# Altium PCB Middle_PCB_PC104_Shield_Positioning.PcbDoc (part 1 of 2) (continued)
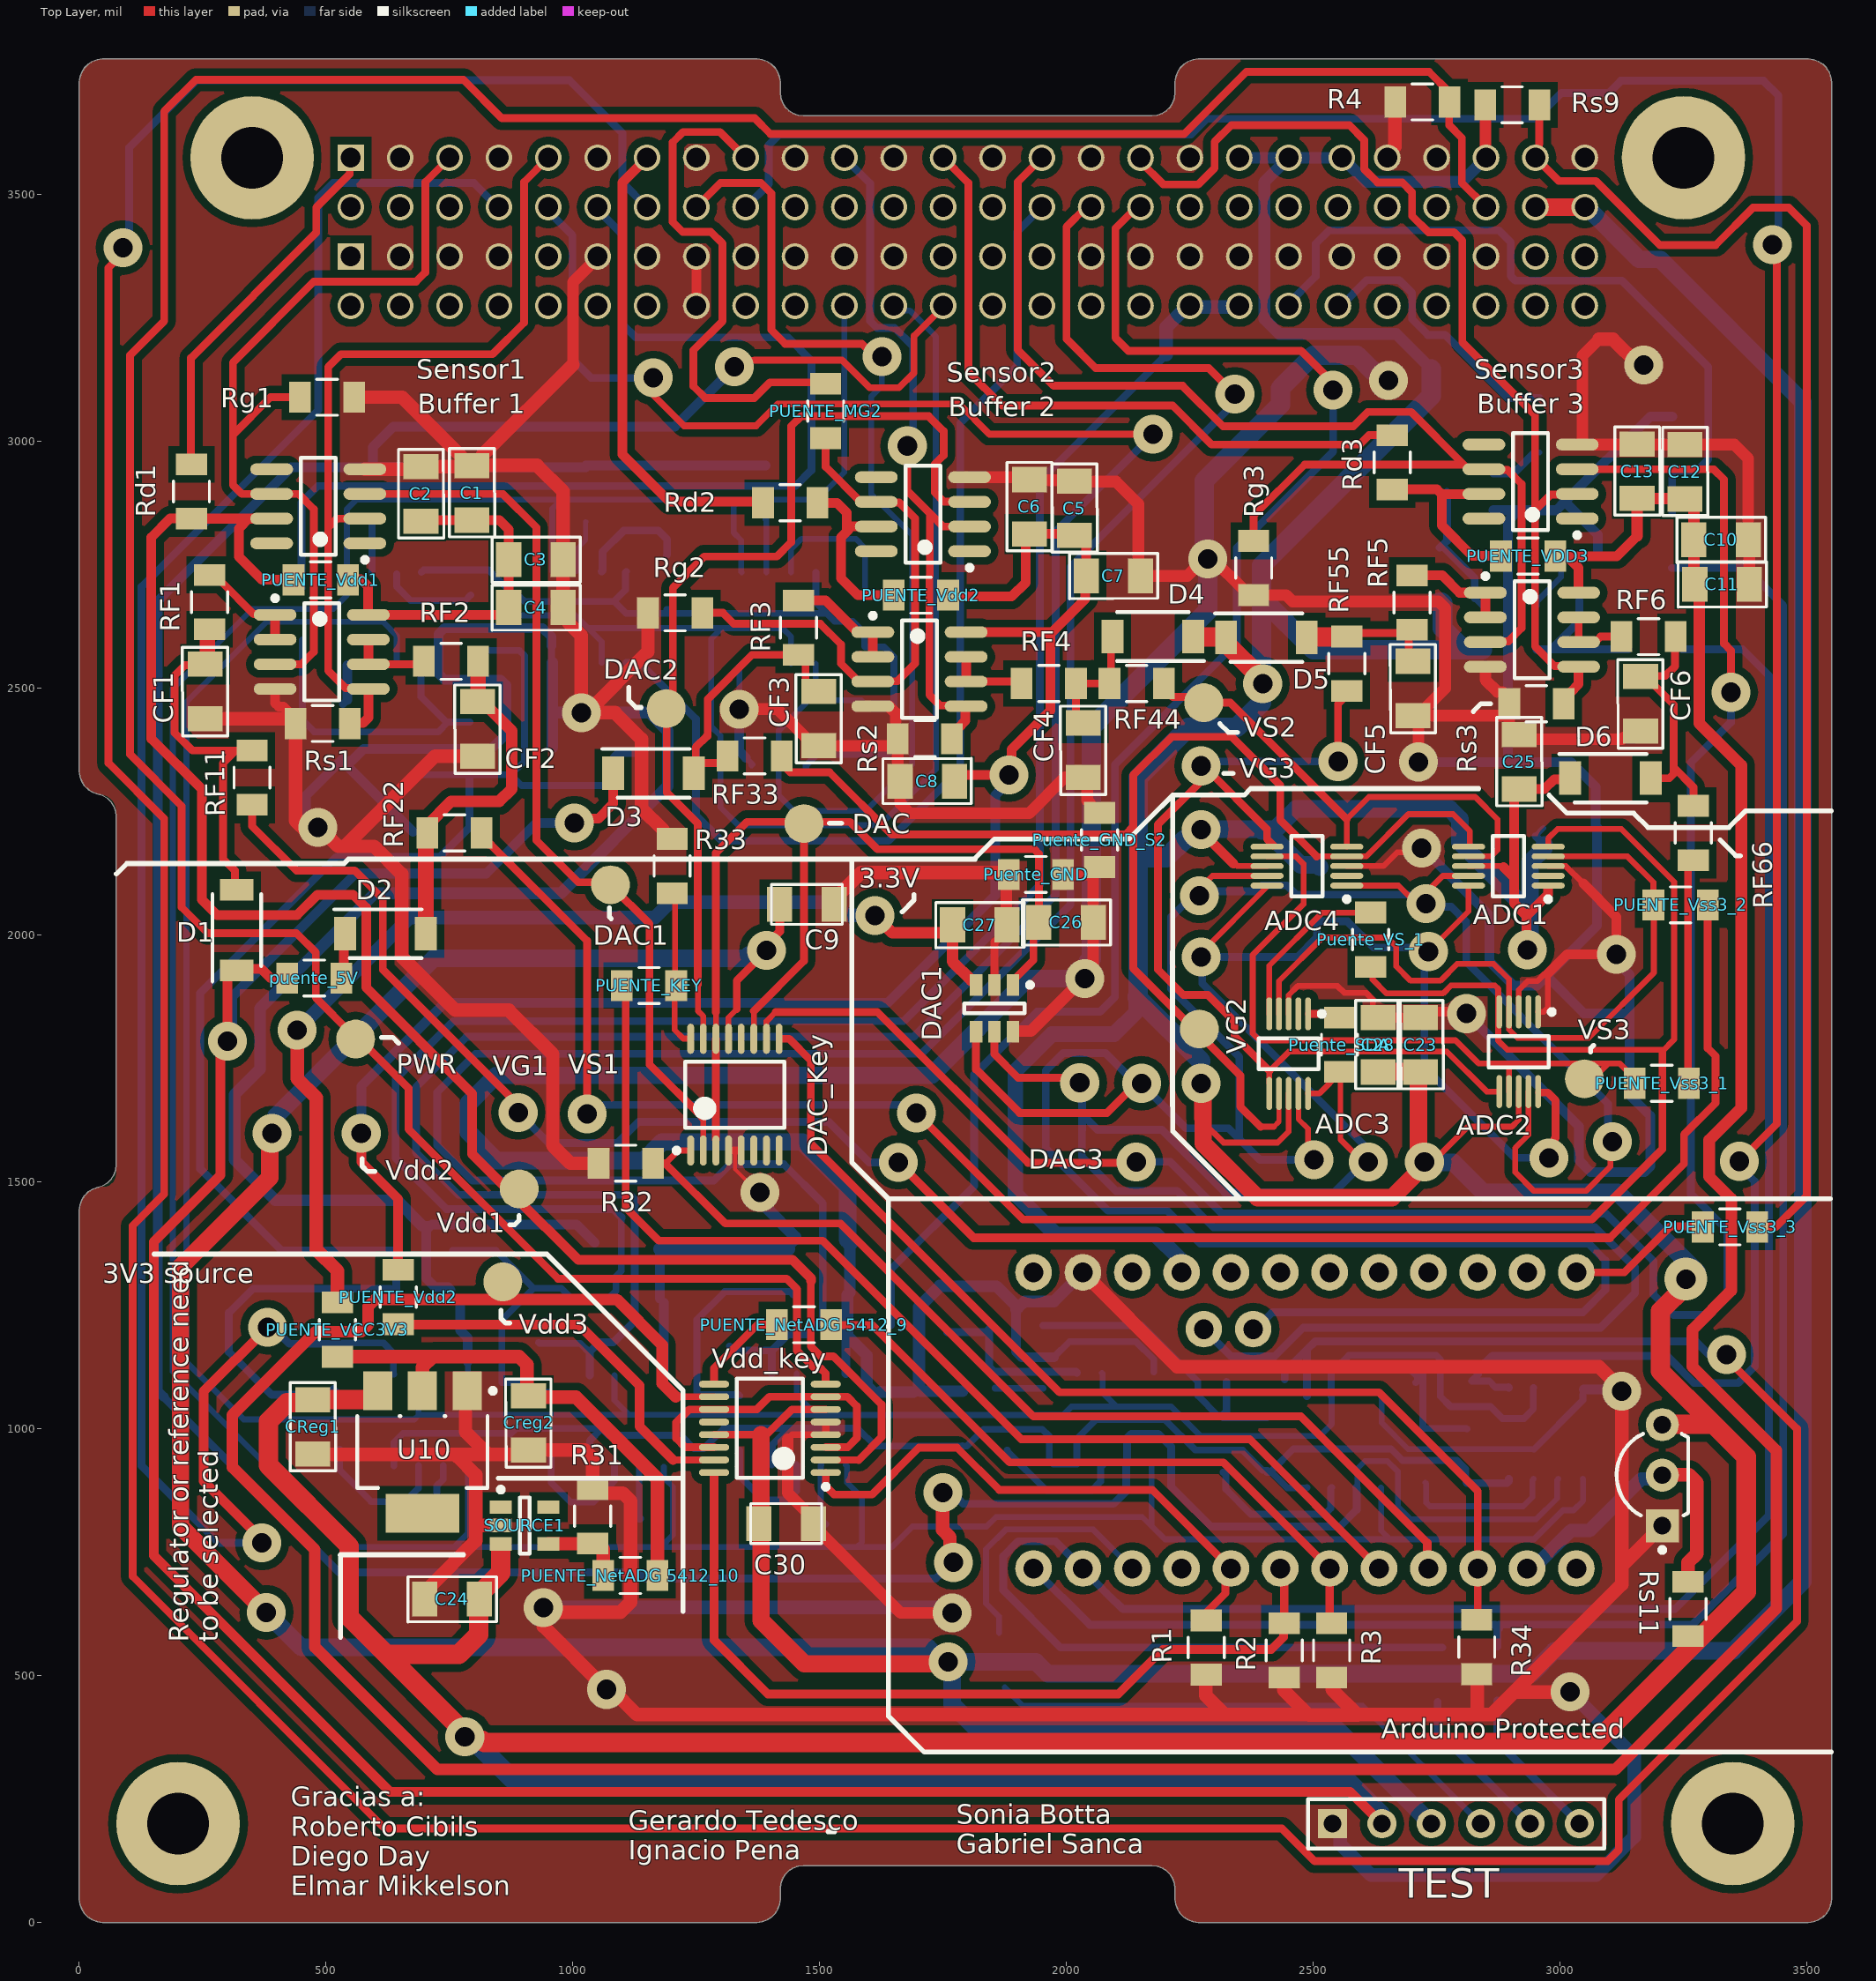
[diagram p0: Top Layer view]
## Components (designator, comment, footprint, x,y, rotation, side; value= is the part's Value field where it differs from the comment) (continued)
Rg3 "10Meg" R1206#1 2379.1,2743.85 r90 top
Rs1 "1k" R1206#1 493.1,2428.85 r0 top
Rs2 "1k" R1206#1 1713.1,2397.85 r0 top
Rs3 "1k" R1206#1 2952.1,2468.85 r0 top
Rs4 "2k" R1206#1 3227.1,2995.85 r270 bottom
Rs5 "1k" R1206#1 3226.1,2798.85 r270 bottom
Rs6 "1k" R1206#1 2897.1,2577.85 r180 bottom
Rs7 "1k" R1206#1 2756.1,2729.85 r270 bottom
Rs8 "1k" R1206#1 2898.1,2666.85 r180 bottom
Rs9 "4k7" R1206#1 2903,3682 r0 top
Rs10 "1k" R1206#1 2958.1,3032.85 r270 bottom
Rs11 "4k7" R1206#1 3259,635 r90 top
Sensor1 "OPA735AID" TI-D8_N 484.1,2868.85 r180 top
Sensor2 "OPA735AID" TI-D8_N 1709.1,2852.85 r180 top
Sensor3 "OPA735AID" TI-D8_N 2940.1,2918.85 r180 top
SOURCE1 "ADR366WAUJZ-REEL7" ADI-UJ-5_M 902.1,803.85 r0 top
TEST "Header 6H" HDR1X6 2539.1,199.85 r0 top (schematic designator TEST1)
U1 "23K256-E/SN" SOIC-SN8_L 1033.28,2644.33 r90 bottom
U2 "23K256-E/SN" SOIC-SN8_L 617.14,2640.9 r90 bottom
U3 "23K256-E/SN" SOIC-SN8_L 1417.1,2642.35 r90 bottom
U4 "23K256-E/SN" SOIC-SN8_L 1478.1,1019.37 r270 bottom
U5 "23K256-E/SN" SOIC-SN8_L 1109.1,1015.85 r270 bottom
U6 "23K256-E/SN" SOIC-SN8_L 712.1,1017.85 r270 bottom
U7 "23K256-E/SN" SOIC-SN8_L 2971.1,990.85 r270 bottom
U8 "23K256-E/SN" SOIC-SN8_L 2562.1,973.37 r270 bottom
U9 "23K256-E/SN" SOIC-SN8_L 2096.1,1020.85 r270 bottom
U10 "NCV1117ST33T3GOSCT-ND" FP-318H-MFG 695.1,952.87 r270 top
Vdd_key "Llave1" ADI-RU-16_N 1399.1,1000.85 r180 top (schematic designator KEY_1)

## Footprints (in the part's own frame and the unit in brackets; to place one, negate y for a bottom-side part, rotate by r counter-clockwise, add the part's x,y. Pads: shape width x height; smd on the part's side, far side on the other; paste and mask are expansions set on the pad)
ADI-RU-16_N [mm] "SOP, 16-Leads, Body 5x4.4mm, Pitch 0.65mm, IPC Medium Density"
  oval 1.55x0.35 smd: 1(-2.875,2.275) 2(-2.875,1.625) 3(-2.875,0.975) 4(-2.875,0.325) 5(-2.875,-0.325) 6(-2.875,-0.975) 7(-2.875,-1.625) 8(-2.875,-2.275) 9(2.875,-2.275) 10(2.875,-1.625) 11(2.875,-0.975) 12(2.875,-0.325) 13(2.875,0.325) 14(2.875,0.975) 15(2.875,1.625) 16(2.875,2.275)
  silkscreen extent -3,-2.55 1.7,3.12, body extent -2.25,-2.55 2.25,2.55, height 1.2
ADI-UJ-5_M [mm] "SOT23, 5-Leads, Body 2.9x1.6mm, Pitch 0.95mm, IPC Low Density"
  rect 1.15x0.7 smd: 1(-1.225,0.95) 2(-1.225,0) 3(-1.225,-0.95) 4(1.225,-0.95) 5(1.225,0.95)
  silkscreen extent -1.35,-1.45 0.25,1.97, body extent -0.8,-1.45 0.8,1.45, height 1
Arduino_Pro_Mini [mil]
  round 74 hole 40: 1(720,1150) 2(720,1050) 3(720,950) 4(720,850) 5(720,750) 6(720,650) 7(720,550) 8(720,450) 9(720,350) 10(720,250) 11(720,150) 12(720,50) 13(120,1150) 14(120,1050) 15(120,950) 16(120,850) 17(120,750) 18(120,650) 19(120,550) 20(120,450) 21(120,350) 22(120,250) 23(120,150) 24(120,50) 31(605,705) 32(605,805)
  Top Layer lines w10: 120,450 135,450 ; 120,375 120,361.35 ; 720,350 720,330 ; 120,275 120,250 ; 120,175 120,150 ; 120,75 120,50 ; 120,361.35 120,356 ; 120,361.35 120,356 ; 120,356 120,350 120,356 ; 720,750 720,738.65 720,750
  Bottom Layer lines w10: 720,877 720,850 ; 120,650 134,636 140,630 ; 720,250 720,241
  body extent 70,0 770,1300, height 171
C1206 [mm]
  rect 1.3x1.8 smd paste+0 mask+0: 1(-1.4,0) 2(1.4,0)
  silkscreen extent -2.29,-1.15 2.26,1.18, body extent -1.7,-0.9 1.7,0.9, height 0.88
FP-318H-MFG [mm]
  rect 2x1.5 smd paste+0 mask+0: 1(-3.15,2.3) 2(-3.15,0) 3(-3.15,-2.3)
  rect 2x3.8 smd paste+0 mask+0: 4(3.15,0)
  silkscreen extent -3.27,-3.35 1.85,3.75, body extent -4.25,-3.45 4.25,3.45, height 0.25
HDR1X6 [mm] "Connector; Header; 6 Position"
  rect 1.5x1.5 hole 0.9: 1(0,0)
  round 1.5 hole 0.9: 2(2.54,0) 3(5.08,0) 4(7.62,0) 5(10.16,0) 6(12.7,0)
  silkscreen extent -1.27,-1.27 13.97,1.27
ONSC-TO-92-3-29-11_AM_BL [mm] "TO, 3-Leads, Body Dia 4.7mm, Pitch 2.6mm"
  rect 1.7x1.7 hole 0.9: 1(-2.6,0)
  round 1.7 hole 0.9: 2(0,0) 3(2.6,0)
  silkscreen extent -3.97,-1.34 2.13,2.35, body extent -2.84,-1.34 2.84,2.35, height 8.92
R1206#1 [mil] "SMD"
  rect 44x63 smd: 1(-55,0) 2(55,0)
  silkscreen extent -21,-36 21,36, body extent -63,-31 63,31, height 28
R1206#2 [mil] "SMD"
  rect 44x63 smd: Puente_3V3_1(-55,0) Puente_3V3_1(55,0)
  silkscreen extent -21,-36 21,36, body extent -63,-31 63,31, height 28
R1206#3 [mil] "SMD"
  rect 44x63 smd: PUENTE_Dig_temp(-55,0) PUENTE_Dig_temp(55,0)
  silkscreen extent -21,-36 21,36, body extent -63,-31 63,31, height 28
R1206#4 [mil] "SMD"
  rect 44x63 smd: Puente_RST(-55,0) Puente_RST(55,0)
  silkscreen extent -21,-37 21,37, body extent -63,-31 63,31, height 28
SAMTEC_ESQ-126-39-G-D [mm]
  rect 1.37x1.37 hole 1.02: 01(0,-2.54)
  round 1.37 hole 1.02: 02(0,0) 03(2.54,-2.54) 04(2.54,0) 05(5.08,-2.54) 06(5.08,0) 07(7.62,-2.54) 08(7.62,0) 09(10.16,-2.54) 10(10.16,0) 11(12.7,-2.54) 12(12.7,0) 13(15.24,-2.54) 14(15.24,0) 15(17.78,-2.54) 16(17.78,0) 17(20.32,-2.54) 18(20.32,0) 19(22.86,-2.54) 20(22.86,0) 21(25.4,-2.54) 22(25.4,0) 23(27.94,-2.54) 24(27.94,0) 25(30.48,-2.54) 26(30.48,0) 27(33.02,-2.54) 28(33.02,0) 29(35.56,-2.54) 30(35.56,0) 31(38.1,-2.54) 32(38.1,0) 33(40.64,-2.54) 34(40.64,0) 35(43.18,-2.54) 36(43.18,0) 37(45.72,-2.54) 38(45.72,0) 39(48.26,-2.54) 40(48.26,0) 41(51,-2.54) 42(50.8,0) 43(53.34,-2.54) 44(53.34,0) 45(55.88,-2.54) 46(55.88,0) 47(58.42,-2.54) 48(58.42,0) 49(60.96,-2.54) 50(60.96,0) 51(63.5,-2.54) 52(63.5,0)
  silkscreen extent -2.27,-3.74 65.03,1.2, body extent -1.53,-3.75 65.02,1.2, height 11.05
SODFL4725X105N [mm]
  rect 1.12x1.72 smd: 1(-2.075,0) 2(2.075,0)
  silkscreen extent -2.64,-1.25 1.85,1.25, body extent -2.35,-1.25 2.35,1.25, height 1.05
SOIC-SN8_L [mm] "SOIC, 8-Leads, Body 4.9x3.8mm, Pitch 1.27mm, IPC High Density"
  oval 1.9x0.6 smd: 1(-2.35,1.905) 2(-2.35,0.635) 3(-2.35,-0.635) 4(-2.35,-1.905) 5(2.35,-1.905) 6(2.35,-0.635) 7(2.35,0.635) 8(2.35,1.905)
  silkscreen extent -2.47,-2.5 1,2.88, body extent -2,-2.5 2,2.5, height 1.75
SOT95P240X114-3N [mm]
  rect 0.85x0.6 smd: 1(-1.2,0.95) 2(-1.2,-0.95) 3(1.2,0)
  silkscreen extent -1.63,-1.45 0.43,1.5, body extent -1.2,-1.45 1.2,1.45, height 1.14
SOT-23-CH6_N [mm] "SOT23, 6-Leads, Body 2.9x1.6mm, Pitch 0.95mm, Lead Span 2.7mm, IPC Medium Density"
  rect 1.1x0.65 smd: 1(-1.2,0.95) 2(-1.2,0) 3(-1.2,-0.95) 4(1.2,-0.95) 5(1.2,0) 6(1.2,0.95)
  silkscreen extent -1.32,-1.55 0.25,1.95, body extent -0.9,-1.55 0.9,1.55, height 1.45
TI-D8_N [mm] "SOIC, 8-Leads, Body 4.9x3.9mm, Pitch 1.27mm, IPC Medium Density"
  oval 2.2x0.6 smd: 1(-2.4,1.905) 2(-2.4,0.635) 3(-2.4,-0.635) 4(-2.4,-1.905) 5(2.4,-1.905) 6(2.4,-0.635) 7(2.4,0.635) 8(2.4,1.905)
  silkscreen extent -2.52,-2.5 0.9,2.88, body extent -2,-2.5 2,2.5, height 1.75
TI-DGS10_N [mm] "SOP, 10-Leads, Body 3x3mm, Pitch 0.5mm, IPC Medium Density"
  oval 1.7x0.3 smd: 1(-2.05,1) 2(-2.05,0.5) 3(-2.05,0) 4(-2.05,-0.5) 5(-2.05,-1) 6(2.05,-1) 7(2.05,-0.5) 8(2.05,0) 9(2.05,0.5) 10(2.05,1)
  silkscreen extent -2.18,-1.55 0.8,1.82, body extent -1.55,-1.55 1.55,1.55, height 1.1

## Part data
ADC1 ADC2 ADC3 ADC4: "16-Bit ADC with Integrated Multiplexer, PGA, Comparator, Oscillator, and Reference, -40 to 125 degC, 10-pin SOP (DGS10), Green (RoHS & no Sb/Br)", Analog Voltage AV/DD(Max)(V)=5.5, Analog Voltage AV/DD(Min)(V)=2, Manufacturer="Texas Instruments", Supplier Part Number 1=296-45221-1-ND, # Input Channels=4, Architecture=Delta-Sigma, Code_JEDEC=MO-153, ComponentLink1Description="Manufacturer URL", ComponentLink1URL=http://www.ti.com/, ComponentLink2Description=Datasheet, ComponentLink2URL=http://www.ti.com/general/docs/lit/getliterature.tsp?genericPartNumber=ADS1115&fileType=pdf, ComponentLink3Description="Package Specification", ComponentLink3URL=http://www.ti.com/lit/ml/mpds035b/mpds035b.pdf, DatasheetVersion=SBAS444B, Digital Supply(Max)(V)=5.5, Digital Supply(Min)(V)=2, Eco-Plan="Green (RoHS & no Sb/Br)", INL(Max)(+/-LSB)=1, Interface="Serial I2C", Mounting Technology="Surface Mount", PackageDescription="10-Pin Plastic Small Outline, Body 3 x 3 mm, Pitch 0.5 mm", PackageReference=DGS10, PackageVersion="4073272/C, 02/2004", PartNumber=ADS1115IDGST, Resolution(Bits)=16, Sample Rate (max)(SPS)=860, SubFamily="Precision ADC (<=10MSPS)", Supplier 1=Digi-Key
"Arduino Protected": Supplier Part Number 1=1568-1055-ND, Supplier 1=Digi-Key
"Buffer 1" "Buffer 2" "Buffer 3": "0.05 uV/degC (max) Single-Supply CMOS Operational Amplifier, Zero-Drift Series, 2.7 to 12 V, -40 to 85 degC, 8-pin SOIC (D8), Green (RoHS & no Sb/Br)", Manufacturer="Texas Instruments", Rating=Catalog, Supplier Part Number 1=296-16770-5-ND, Total Supply Voltage(Max)(+5V is 5, +/-5V is 10)=12, Total Supply Voltage(Min)(+5V is 5, +/-5V is 10)=2.7, CMRR(Min)(dB)=115, Code_JEDEC=MS-012, ComponentLink1Description="Manufacturer URL", ComponentLink1URL=http://www.ti.com/, ComponentLink2Description=Datasheet, ComponentLink2URL=http://www.ti.com/lit/ds/symlink/opa2735.pdf, ComponentLink3Description="Package Specification", ComponentLink3URL=http://www.ti.com/litv/pdf/msoi002j, DatasheetVersion=SBOS282B, Eco-Plan="Green (RoHS & no Sb/Br)", GBW(Typ)(MHz)=1.6, IIB(Max)(pA)=200, Iq per channel(Max)(mA)=0.75, Mounting Technology="Surface Mount", Number of Channels=2, Offset Drift(Typ)(uV/C)=0.01, PackageDescription="8-Pin Plastic Small Outline, Body 4.9 x 3.9 mm, Pitch 1.27 mm", PackageReference=D8, PackageVersion="4040047-3/M, 06/2011", Packing=TUBE, PartNumber=OPA2735AID, Slew Rate(Typ)(V/us)=1.5, Sub Family="Low Offset Voltage Amplifier (<=500uV), Low Supply Voltage Amplifier (<=2.7V), Precision Amplifier, Zero Drift Precision Amplifier", Supplier 1=Digi-Key, Supplier 2=Newark, Supplier 3=Mouser, Supplier Part Number 2=01J0602, Supplier Part Number 3=595-OPA2735AID, Vio (25C)(Max)(mV)=0.005
C1 C3 C5 C7 C10: library part C1206, "1206 Capacitor", Supplier Part Number 1=399-1255-1-ND, Supplier 1=Digi-Key
C2 C4 C6 C8 C9 C11 C13 C23 C24 C25 C26 C27 C28 C29 C30: library part C1206, "1206 Capacitor", Supplier Part Number 1=478-1556-1-ND, Supplier 1=Digi-Key
C12: library part C1206, "1206 Capacitor"
C14 C15 C16 C17 C18 C19 C20 C21 C22: library part C1206, "1206 Capacitor", Supplier Part Number 1=399-8127-1-ND, Supplier 1=Digi-Key
CF1 CF2 CF3 CF4 CF5 CF6: library part C1206, "1206 Capacitor", Supplier Part Number 1=490-4843-1-ND, Supplier 1=Digi-Key
CReg1 Creg2: library part C1206, "1206 Capacitor", Supplier Part Number 1=478-3811-1-ND, Supplier 1=Digi-Key
D1 D2 D3 D4 D5 D6: "Schottky Diode", Manufacturer_Name="ROHM Semiconductor", Mouser Part Number=755-RBR3LAM30ATFTR, Datasheet Link=https://componentsearchengine.com/Datasheets/2/RBR3LAM30ATFTR.pdf, Height=1.05mm, Manufacturer_Part_Number=RBR3LAM30ATFTR, Mouser Price/Stock=https://www.mouser.co.uk/ProductDetail/ROHM-Semiconductor/RBR3LAM30ATFTR?qs=4v%252BiZTmLVHGRR7OWAomL%252Bg%3D%3D
DAC1: "12-Bit Digital-to-Analog Converter with EEPROM Memory in SOT-23-6, 6-Pin SOT-23, Extended Temperature, Tape and Reel", Manufacturer=Microchip, Supplier Part Number 1=MCP4725A0T-E/CHCT-ND, Code_IPC=SOT26A-6, ComponentLink1Description="Manufacturer URL", ComponentLink1URL=http://www.microchip.com/, ComponentLink2Description=Datasheet, ComponentLink2URL=http://ww1.microchip.com/downloads/en/DeviceDoc/22039d.pdf, ComponentLink3Description="Package Specification", ComponentLink3URL=http://www.microchip.com/stellent/groups/techpub_sg/documents/packagingspec/en012702.pdf, DatasheetVersion="revD, Jun-2009", Mounting Technology="Surface Mount", PackageDescription="6-Lead Plastic Small Outline Transistor (CH) [SOT-23]", PackageReference=SOT-23-CH6, PackageVersion="revBB, Aug-2009", PartNumber=MCP4725A0T-E/CH, Supplier 1=Digi-Key, Supplier 2=Farnell, Supplier 3=Farnell, Supplier 4=Newark, Supplier 5=Mouser, Supplier Part Number 2=1578449RL, Supplier Part Number 3=1578449, Supplier Part Number 4=77M3032, Supplier Part Number 5=579-MCP4725A0TECH
DAC_Key Vdd_key: library part ADG5412BRUZ, "High Voltage Latch-Up Proof, Quad SPST Switches, -40 to 125 degC, 16-pin SOP (RU-16), Tube", Manufacturer="Analog Devices", Power Dissipation=1mW, Supplier Part Number 1=ADG5412BRUZ-ND, Code_JEDEC=MO-153AB, ComponentLink1Description="Manufacturer URL", ComponentLink1URL=http://www.analog.com/en/index.html, ComponentLink2Description=Datasheet, ComponentLink2URL=http://www.analog.com/static/imported-files/data_sheets/ADG5412_5413.pdf, ComponentLink3Description="Package Specification", ComponentLink3URL=http:/www.analog.com/static/imported-files/packages/36244347913743854010197452789RU16.pdf, Configuration=SPST, DatasheetVersion="Rev. A", Id, Is (ON)="100pA, 100pA, 100pA, 100pA", Is OFF="50pA, 50pA, 50pA, 50pA", Mounting Technology="Surface Mount", PackageDescription="16-Pin Thin Shrink Small Outline Package, Body 5 x 4.4 mm, Pitch 0.65 mm", PackageReference=RU-16, PackageVersion=Nov-02, Packing=Tube, PartNumber=ADG5412BRUZ, Ron (ohms)=9, Supplier 1=Digi-Key, Supplier 2=Farnell, Supplier 3=Newark, Supplier 4=Mouser, Supplier Part Number 2=2081057, Supplier Part Number 3=85R6320, Supplier Part Number 4=584-ADG5412BRUZ
H1 H2: library part SAMTEC_ESQ-126-39-G-D, "Header_2x26_2.54mm", Supplier Part Number 1=SAM9323-ND, Supplier 1=Digi-Key
IC1: "Integrated Circuit", Manufacturer_Name="Maxim Integrated", Mouser Part Number=700-DS18S20, Datasheet Link=https://datasheets.maximintegrated.com/en/ds/DS18S20.pdf, Height=4.95mm, Manufacturer_Part_Number=DS18S20+, Mouser Price/Stock=https://www.mouser.co.uk/ProductDetail/Maxim-Integrated/DS18S20%2b?qs=0Y9aZN%252BMVCVr8Q2h8Exw2w%3D%3D
Q1 Q2: "Transistor BJT NPN", Manufacturer_Name="ON Semiconductor", Mouser Part Number=512-MMBT2222, Supplier Part Number 1=MMBT2222LT1GOSCT-ND, Datasheet Link=https://componentsearchengine.com/Datasheets/1/MMBT2222.pdf, Height=1.14mm, Manufacturer_Part_Number=MMBT2222, Mouser Price/Stock=https://www.mouser.co.uk/ProductDetail/ON-Semiconductor-Fairchild/MMBT2222/?qs=UMEuL5FsraD0NR7loUMuuw%3D%3D, Supplier 1=Digi-Key
R1 R2 R3 R4 R32 R33 R34: library part R1206, "1206 Resistor", Supplier Part Number 1=541-CRCW120610K0JNTACT-ND, Supplier 1=Digi-Key
R5 R6 R7 R8 R9 R10 R14 R15 R16 R17 R18 R19 R23 R24 R25 R26 R27 R28 R29 R30: library part R1206, "1206 Resistor", Supplier Part Number 1=541-4.7KECT-ND, Supplier 1=Digi-Key
R11 R12 R13 R20 R21 R22: library part R1206, "1206 Resistor", Supplier Part Number 1=541-3033-1-ND, Supplier 1=Digi-Key
R31: library part R1206, "1206 Resistor"
Rd1 Rd2 Rd3 Rs1 Rs2: library part R1206, "1206 Resistor  1% CMP2010A 1Watt 100ppm", Supplier Part Number 1=118-CMP1206-FX-1001ELFCT-ND, Supplier 1=Digi-Key
RF1 RF2 RF3 RF4 RF5 RF6: library part R1206, "1206 Resistor", Supplier Part Number 1=541-2.55KFCT-ND, Supplier 1=Digi-Key
RF11 RF22 RF33 RF44 RF55 RF66: "1206 Resistor"
Rg1: library part R1206, "1206 Resistor  1% CMP2010A 1Watt 100ppm", Supplier Part Number 1=541-CRCW120610M0FKEBCT-ND, Supplier 1=DigiKey, Supplier 2=Digi-Key, Supplier Part Number 2=541-10MECT-ND
Rg2 Rg3: library part R1206, "1206 Resistor  1% CMP2010A 1Watt 100ppm", Supplier Part Number 1=541-10MECT-ND, Supplier 1=Digi-Key
Rs3: library part R1206, "1206 Resistor  1% CMP2010A 1Watt 100ppm", Supplier Part Number 1=118-CMP2010AFX-1001ELFCT-ND, Supplier 1=Digi-Key, Supplier 2=Digi-Key, Supplier Part Number 2=118-CMP1206-FX-1001ELFCT-ND
Rs4: library part R1206, "1206 Resistor  1% CMP2010A 1Watt 100ppm", Supplier Part Number 1=541-2.00KFCT-ND, Supplier 1=Digi-Key
Rs5 Rs6 Rs7 Rs8 Rs9 Rs10 Rs11: library part R1206, "1206 Resistor  1% CMP2010A 1Watt 100ppm", Supplier Part Number 1=541-CRCW12061K00FKEBCT-ND, Supplier 1=Digi-Key
Sensor1 Sensor2 Sensor3: "0.05 uV/degC (Max), Single-Supply CMOS Zero-Drift Series Operational Amplifier, 2.7 to 12 V, -40 to 85 degC, 8-pin SOIC (D8), Green (RoHS & no Sb/Br)", Manufacturer="Texas Instruments", Rating=Catalog, Supplier Part Number 1=296-17995-ND, Total Supply Voltage(Max)(+5V is 5, +/-5V is 10)=12, Total Supply Voltage(Min)(+5V is 5, +/-5V is 10)=2.7, CMRR(Min)(dB)=115, Code_JEDEC=MS-012, ComponentLink1Description="Manufacturer URL", ComponentLink1URL=http://www.ti.com/, ComponentLink2Description=Datasheet, ComponentLink2URL=http://www.ti.com/lit/ds/symlink/opa735.pdf, ComponentLink3Description="Package Specification", ComponentLink3URL=http://www.ti.com/litv/pdf/msoi002j, DatasheetVersion=SBOS282B, Eco-Plan="Green (RoHS & no Sb/Br)", GBW(Typ)(MHz)=1.6, IIB(Max)(pA)=200, Iq per channel(Max)(mA)=0.75, Mounting Technology="Surface Mount", Number of Channels=1, Offset Drift(Typ)(uV/C)=0.01, PackageDescription="8-Pin Plastic Small Outline, Body 4.9 x 3.9 mm, Pitch 1.27 mm", PackageReference=D8, PackageVersion="4040047-3/M, 06/2011", Packing=TUBE, PartNumber=OPA735AID, Slew Rate(Typ)(V/us)=1.5, Sub Family="Low Offset Voltage Amplifier (<=500uV), Low Supply Voltage Amplifier (<=2.7V), Precision Amplifier, Zero Drift Precision Amplifier", Supplier 1=Digi-Key, Supplier 2=Farnell, Supplier 3=Newark, Supplier 4=Mouser, Supplier Part Number 2=1212328, Supplier Part Number 3=90H2263, Supplier Part Number 4=595-OPA735AID, Vio (25C)(Max)(mV)=0.005
SOURCE1: library part CMP-0784-00514-1, "Low Power, Low Noise Voltage Reference with Sink / Source Capability, 3.3 V Output, 3.6 to 15 V Supply, Automotive, 5-pin SOT23 (UJ-5), Reel", Manufacturer="Analog Devices", Operating Temp Range="-40 to 125 degC", Automotive Qualified=Yes, Code_JEDEC=MO-193-AB, ComponentLink1Description="Manufacturer URL", ComponentLink1URL=http://www.analog.com/en/index.html, ComponentLink2Description=Datasheet, ComponentLink2URL=http://www.analog.com/static/imported-files/data_sheets/ADR360_361_363_364_365_366.pdf, ComponentLink3Description="Package Specification", ComponentLink3URL=http:/www.analog.com/static/imported-files/packages/PKG_PDF/TSOT(UJ)/UJ_5.pdf, ComponentLink4Description="URL Link1", ComponentLink4URL="Product URL:http://www.analog.com/en/special-linear-functions/voltage-references/adr366/products/product.html", DatasheetVersion="Rev. D", Max V Supply (V)=15, Min V Supply (V)=3.6, Mounting Technology="Surface Mount", PackageDescription="5-Pin Thin Small Outline Transistor Package, Body 2.9 x 1.6 mm, Pitch 0.95 mm", PackageReference=UJ-5, PackageVersion="100708-A, 10/2008", Packing=Reel, PartNumber=ADR366WAUJZ-REEL7, Ref Out TC (ppm/C)=25, Supplier 1=Digi-Key, Vout=3.3V
TEST: "Header, 6-Pin, Right Angle", LatestRevisionDate=17-Jul-2002, LatestRevisionNote="Re-released for DXP Platform.", Publisher="Altium Limited"